# Altium PCB DIOT_Backplane.pcbdoc (part 4 of 11)
Units mm, origin at the board's own origin, x right, y up, seen from the top; angles counter-clockwise.
Board outline 304.8 x 128.5 mm, 14 copper layers (Top Layer, L2, L3GND, L4, L5GND, L6, L7GND, L8, L9GND, L10, L11GND, L12, L13GND, Bottom Layer), stack 4.06 mm thick; 141 components, 1224 nets, 5318 pads, 471 vias.
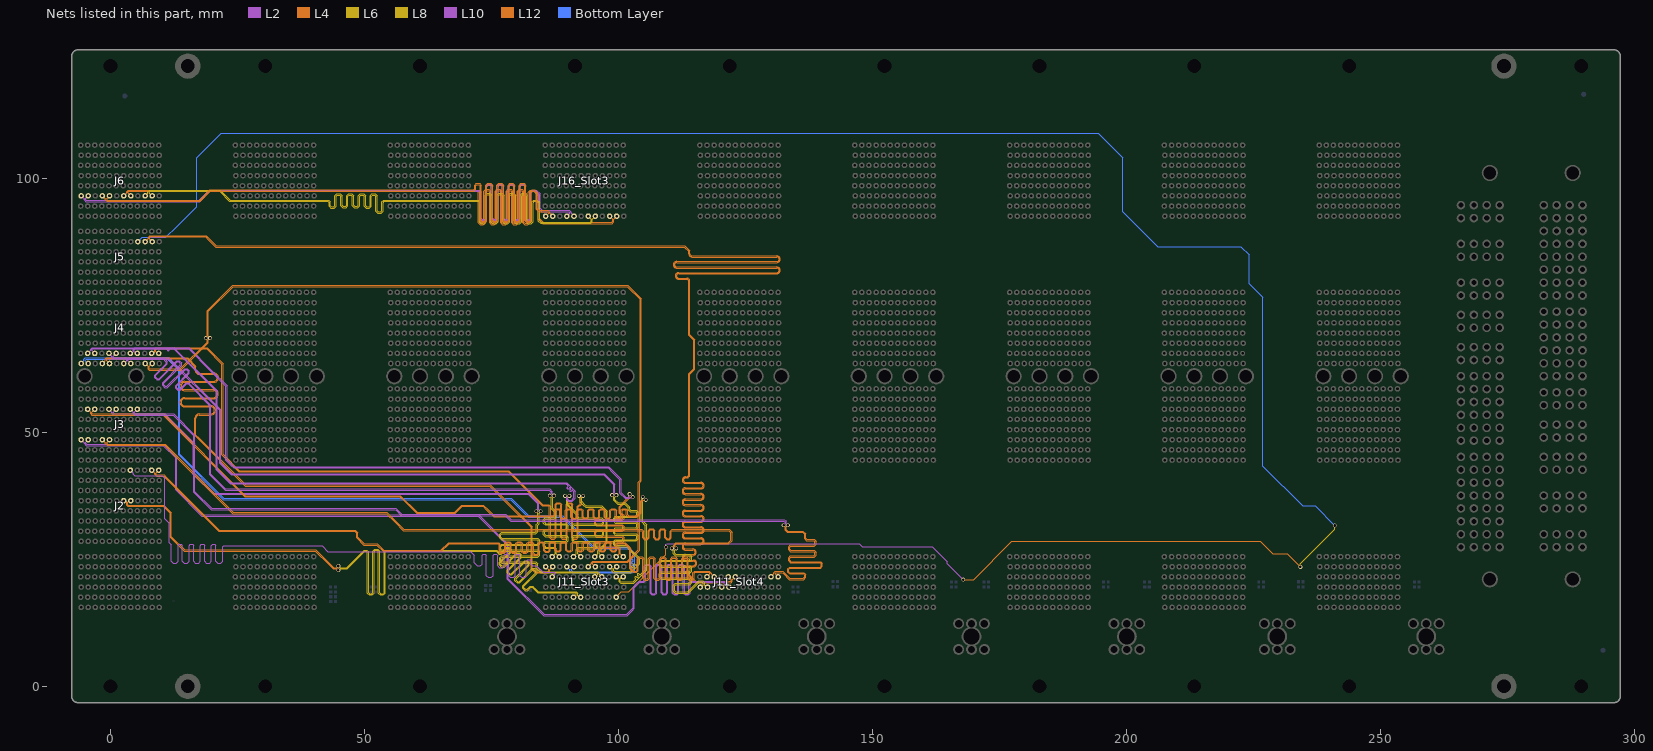
[diagram p16: the nets of this part, all layers, seen from the top]

## Via types
v1: diameter 0.75, hole 0.5, Top Layer to Bottom Layer, tented both sides, 429 vias
v2: diameter 0.85, hole 0.5, Top Layer to Bottom Layer, tented both sides, 32 vias
v3: diameter 1.3, hole 1, Top Layer to Bottom Layer, tented both sides, 10 vias

## Nets (pads, with @x,y where several pads share a name; then routed paths per layer and width w, separated by ;. In a path a pad name is that pad's centre, name@x,y a point inside that pad or via, vN(x,y) a via of type N, cw(c..) or ccw(c..) an arc to the next point about the centre after c; other vN are vias at no path point) (continued)
3_DIFF_2_P: J2.H8 J11_Slot3.B4 | length 165.6
  L2 w0.102: J2.H8@3.92,42.55 4.506,41.965 4.506,41.769 4.824,41.451 10.221,41.451 10.536,41.136 10.688,40.984 10.688,32.964 11.56,32.092 11.56,28.269 11.84,27.989 12.004,27.825 12.004,24.625 12.354,24.275 12.976,24.275 13.326,24.625 13.326,27.714 13.542,27.93 13.974,27.93 14.19,27.714 14.19,24.625 14.54,24.275 15.162,24.275 15.512,24.625 15.512,27.714 15.728,27.93 16.16,27.93 16.376,27.714 16.376,24.625 16.726,24.275 17.348,24.275 17.698,24.625 17.698,27.714 17.914,27.93 18.346,27.93 18.562,27.714 18.562,24.625 18.912,24.275 19.534,24.275 19.884,24.625 19.884,27.714 20.1,27.93 20.532,27.93 20.748,27.714 20.748,24.625 21.098,24.275 21.72,24.275 22.07,24.625 22.07,27.433 22.286,27.649 22.404,27.649 41.651,27.649 42.819,26.48 70.91,26.48 71.611,25.779 71.611,24.355 72.245,23.721 72.599,23.721 72.812,23.721 73.162,24.071 73.162,25.791 73.378,26.007 73.81,26.007 74.026,25.791 74.026,21.785 74.376,21.435 74.998,21.435 75.348,21.785 75.348,25.791 75.564,26.007 75.996,26.007 76.212,25.791 76.212,23.729 76.562,23.379 77.184,23.379 77.534,23.729 77.534,25.791 77.75,26.007 78.182,26.007 78.398,25.791 78.398,21.785 78.748,21.435 79.37,21.435 79.72,21.785 79.72,25.791 79.936,26.007 80.368,26.007 80.584,25.791 80.584,21.785 80.934,21.435 81.556,21.435 81.906,21.785 81.906,24.733 82.122,24.949 82.554,24.949 82.77,24.733 82.77,24.071 83.12,23.721 83.515,23.721 83.869,23.721 85.164,22.426 85.541,22.426 ccw(c85.66,23.55) 85.779,22.426 86.941,22.426 ccw(c87.06,23.55) 87.179,22.426 87.323,22.426 87.545,22.204 87.545,22.136 J11_Slot3.B4@86.96,21.55
3_DIFF_3_N: J3.C6 J11_Slot3.L4 | length 166.1
  L4 w0.102: J3.C6@-3.08,54.55 -3.665,53.964 -3.665,53.714 -3.594,53.643 10.476,53.643 26.564,37.555 57.094,37.555 60.37,34.279 67.769,34.279 69.14,35.65 73.44,35.65 74.34,34.75 75.511,33.579 87.047,33.579 87.165,33.579 87.381,33.795 87.381,34.659 87.732,35.009 88.353,35.009 88.703,34.659 88.703,33.339 88.919,33.123 89.351,33.123 89.567,33.339 89.567,34.659 89.918,35.009 90.539,35.009 90.889,34.659 90.889,33.339 91.105,33.123 91.537,33.123 91.753,33.339 91.753,34.659 92.104,35.009 92.725,35.009 93.075,34.659 93.075,33.339 93.291,33.123 93.723,33.123 93.939,33.339 93.939,34.659 94.289,35.009 94.911,35.009 95.261,34.659 95.261,33.339 95.477,33.123 95.909,33.123 96.125,33.339 96.125,34.659 96.475,35.009 97.097,35.009 97.447,34.659 97.447,33.339 97.663,33.123 98.095,33.123 98.311,33.339 98.311,34.659 98.661,35.009 99.283,35.009 99.633,34.659 99.633,33.339 99.849,33.123 100.281,33.123 100.497,33.339 100.497,34.659 100.847,35.009 101.469,35.009 101.819,34.659 101.819,33.795 102.035,33.579 103.336,33.579 103.569,33.579 104.267,34.277 104.267,36.341 104.75,36.824 104.75,37.265 v1(104.778,37.293)
  L8 w0.12: J11_Slot3.L4@100.96,21.55 100.763,21.55 100.395,21.182 100.395,20.732 100.578,20.549 102.894,20.549 103.12,20.775 103.334,20.989 ccw(c103.202,21.121) 103.334,21.254 103.293,21.295 cw(c103.425,21.428) 103.293,21.56 cw(c103.425,21.428) 103.557,21.56 103.599,21.518 ccw(c103.731,21.65) 103.863,21.518 ccw(c103.731,21.65) 103.863,21.783 103.768,21.877 cw(c103.901,22.01) 103.768,22.142 cw(c103.901,22.01) 104.033,22.142 104.128,22.047 ccw(c104.26,22.179) 104.392,22.047 104.699,22.354 105.328,22.983 105.328,31.656 104.475,32.509 104.475,36.578 104.711,36.814 104.711,37.226 v1(104.778,37.293)
3_DIFF_3_P: J3.B6 J11_Slot3.K4 | length 166.1
  L4 w0.102: J3.B6@-4.48,54.55 -3.895,53.964 -3.895,53.619 -3.689,53.414 10.381,53.414 26.469,37.326 56.999,37.326 57.907,36.418 60.275,34.05 67.864,34.05 69.235,35.421 73.345,35.421 74.016,34.75 74.178,34.588 75.416,33.35 87.047,33.35 87.26,33.35 87.61,33.7 87.61,34.564 87.826,34.78 88.258,34.78 88.474,34.564 88.474,33.244 88.825,32.894 89.446,32.894 89.796,33.244 89.796,34.564 90.012,34.78 90.444,34.78 90.66,34.564 90.66,33.244 91.011,32.894 91.632,32.894 91.982,33.244 91.982,34.564 92.198,34.78 92.63,34.78 92.846,34.564 92.846,33.244 93.197,32.894 93.818,32.894 94.168,33.244 94.168,34.564 94.384,34.78 94.816,34.78 95.032,34.564 95.032,33.244 95.382,32.894 96.004,32.894 96.354,33.244 96.354,34.564 96.57,34.78 97.002,34.78 97.218,34.564 97.218,33.244 97.568,32.894 98.19,32.894 98.54,33.244 98.54,34.564 98.756,34.78 99.188,34.78 99.404,34.564 99.404,33.244 99.754,32.894 100.376,32.894 100.726,33.244 100.726,34.564 100.942,34.78 101.374,34.78 101.59,34.564 101.59,33.7 101.94,33.35 103.336,33.35 103.664,33.35 104.496,34.182 104.496,36.246 104.912,36.662 105.353,36.662 v1(105.38,36.69)
  L8 w0.12: J11_Slot3.K4@99.56,21.55 99.757,21.55 100.125,21.182 100.125,20.62 100.466,20.279 103.006,20.279 105.598,22.872 105.598,31.768 104.745,32.621 104.745,36.466 104.902,36.624 105.314,36.624 v1(105.38,36.69)
3_DIFF_4_N: J3.F6 J11_Slot3.I4 | length 164.9
  L8 w0.12: v1(84.678,34.456) 84.678,34.362 84.387,34.071 84.387,32.018 84.119,31.75 84.119,31.493 84.119,30.414 83.741,30.035 77.099,30.035 76.878,29.815 76.878,29.374 77.099,29.153 84.091,29.153 84.47,28.775 84.47,28.11 84.091,27.731 77.099,27.731 76.878,27.511 76.878,27.07 77.099,26.849 84.091,26.849 84.47,26.471 84.47,25.806 84.091,25.428 77.099,25.428 76.878,25.207 76.878,24.766 77.099,24.546 83.741,24.546 84.119,24.167 84.119,23.916 84.119,23.339 84.859,22.6 86.355,22.6 95.961,22.6 96.195,22.366 96.195,22.115 J11_Slot3.I4@96.76,21.55
  L10 w0.102: J3.F6@1.12,54.55 0.534,53.964 0.534,53.837 0.728,53.643 10.71,53.643 16.581,47.772 16.581,41.847 20.391,38.038 82.318,38.038 84.099,36.257 ; 84.099,36.257 84.367,35.989 84.367,34.807 84.678,34.495 v1(84.678,34.456)
3_DIFF_4_P: J3.E6 J11_Slot3.H4 | length 164.9
  L8 w0.12: v1(83.826,34.456) 83.826,34.362 84.117,34.071 84.117,32.13 83.85,31.862 83.85,31.493 83.85,30.525 83.629,30.305 76.987,30.305 76.608,29.926 76.608,29.262 76.987,28.883 83.979,28.883 84.2,28.663 84.2,28.222 83.979,28.001 76.987,28.001 76.608,27.623 76.608,26.958 76.987,26.58 83.979,26.58 84.2,26.359 84.2,25.918 83.979,25.698 76.987,25.698 76.608,25.319 76.608,24.654 76.987,24.276 83.629,24.276 83.85,24.055 83.85,23.916 83.85,23.227 84.747,22.33 86.355,22.33 95.849,22.33 95.925,22.254 95.925,22.115 J11_Slot3.H4@95.36,21.55
  L10 w0.102: J3.E6@-0.28,54.55 0.306,53.964 0.306,53.742 0.633,53.414 10.615,53.414 16.352,47.677 16.352,41.752 20.296,37.809 82.224,37.809 84.004,36.028 84.138,35.894 84.138,34.807 83.826,34.495 v1(83.826,34.456)
3_DIFF_5_N: J4.H1 J11_Slot3.K5 | length 165.1
  L8 w0.12: v1(98.761,37.648) 98.761,37.554 99.052,37.263 99.052,36.656 99.858,35.85 101.24,35.85 101.94,35.15 101.94,35.145 101.94,34.773 102.319,34.395 103.434,34.395 103.654,34.174 103.654,33.733 103.434,33.513 99.421,33.513 99.042,33.134 99.042,32.47 99.421,32.091 103.434,32.091 103.654,31.871 103.654,31.43 103.434,31.209 99.421,31.209 99.042,30.831 99.042,30.166 99.421,29.787 103.434,29.787 103.654,29.567 103.654,29.126 103.434,28.905 99.421,28.905 99.042,28.527 99.042,27.862 99.421,27.484 101.72,27.484 101.94,27.263 101.94,27.124 101.94,27.068 103.92,25.088 103.92,24.209 103.909,24.198 103.616,23.905 cw(c103.484,24.037) 103.351,23.905 103.231,24.025 ccw(c103.099,23.893) 102.967,24.025 ccw(c103.099,23.893) 102.967,23.761 103.087,23.64 cw(c102.955,23.508) 103.087,23.376 cw(c102.955,23.508) 102.823,23.376 102.661,23.538 ccw(c102.528,23.405) 102.396,23.538 ccw(c102.528,23.405) 102.396,23.273 102.558,23.111 cw(c102.426,22.979) 102.558,22.847 102.516,22.804 102.357,22.645 99.165,22.645 99.095,22.715 99.095,23.182 99.463,23.55 J11_Slot3.K5@99.66,23.55
  L10 w0.102: J4.H1@4.02,63.55 3.434,64.136 3.434,64.239 3.629,64.433 11.387,64.433 21.508,54.312 21.508,43.886 23.744,41.65 97.144,41.65 98.826,39.968 98.988,39.806 99.072,39.722 99.072,37.999 98.761,37.688 v1(98.761,37.648)
3_DIFF_5_P: J4.G1 J11_Slot3.J5 | length 165.1
  L8 w0.12: J11_Slot3.J5@98.26,23.55 98.457,23.55 98.825,23.182 98.825,22.604 99.053,22.375 102.468,22.375 104.19,24.097 104.19,25.2 102.266,27.124 102.21,27.18 102.21,27.375 101.831,27.754 99.532,27.754 99.312,27.974 99.312,28.415 99.532,28.636 103.545,28.636 103.924,29.014 103.924,29.679 103.545,30.057 99.532,30.057 99.312,30.278 99.312,30.719 99.532,30.939 103.545,30.939 103.924,31.318 103.924,31.982 103.545,32.361 99.532,32.361 99.312,32.581 99.312,33.022 99.532,33.243 103.545,33.243 103.924,33.622 103.924,34.286 103.545,34.665 102.43,34.665 102.21,34.885 102.21,35.145 102.21,35.262 101.352,36.12 99.97,36.12 99.322,36.768 99.322,37.263 99.613,37.554 v1(99.613,37.648)
  L10 w0.102: J4.G1@2.62,63.55 3.206,64.136 3.206,64.334 3.534,64.662 11.482,64.662 21.737,54.407 21.737,43.981 23.839,41.879 97.239,41.879 99.301,39.816 99.301,37.999 99.613,37.688 v1(99.613,37.648)
3_DIFF_6_N: J4.K1 J11_Slot3.H5 | length 170.9
  L4 w0.102: J4.K1@8.22,63.55 7.635,62.965 7.635,62.632 7.634,62.535 7.694,62.475 13.774,62.475 19.07,67.771 19.07,68.192 18.758,68.504 v1(18.758,68.543)
  L12 w0.102: v1(18.758,68.543) 18.758,68.562 19.07,68.873 19.07,73.903 24.1,78.934 101.856,78.934 104.529,76.261 104.529,40.495 104.16,40.127 104.16,26.773 101.794,24.408 95.03,24.408 94.875,24.252 94.875,24.135 J11_Slot3.H5@95.46,23.55
3_DIFF_6_P: J4.J1 J11_Slot3.G5 | length 170.9
  L4 w0.102: J4.J1@6.82,63.55 7.406,62.964 7.406,62.808 7.405,62.44 7.599,62.246 13.869,62.246 19.299,67.676 19.299,68.192 19.61,68.504 v1(19.61,68.543)
  L12 w0.102: v1(19.61,68.543) 19.61,68.562 19.299,68.873 19.299,73.809 24.195,78.705 101.761,78.705 104.3,76.167 104.3,40.59 103.931,40.222 103.931,26.868 101.7,24.637 94.935,24.637 94.646,24.347 94.646,24.136 J11_Slot3.G5@94.06,23.55
3_DIFF_7_N: J4.C2 J11_Slot3.F6 | length 164.2
  L2 w0.102: J4.C2@-3.08,65.55 -3.665,66.136 -3.665,66.233 -3.438,66.461 10.536,66.461 12.421,66.461 20.806,58.076 20.806,42.652 23.617,39.841 89.731,39.841 89.748,39.823 89.784,39.787 90.036,39.535 cw(c89.91,39.409) 90.036,39.284 89.928,39.176 ccw(c90.054,39.05) 89.928,38.924 ccw(c90.054,39.05) 90.18,38.924 90.288,39.032 cw(c90.413,38.906) 90.539,39.032 cw(c90.413,38.906) 90.539,38.78 90.432,38.673 ccw(c90.558,38.547) 90.432,38.421 ccw(c90.558,38.547) 90.683,38.421 90.791,38.528 cw(c90.917,38.403) 91.043,38.528 91.257,38.314 91.257,38.143 91.257,37.089 90.809,36.641 90.263,36.641 90.031,36.873 90.031,37.128 90.342,37.44 v1(90.342,37.479)
  L8 w0.12: v1(90.342,37.479) 90.342,37.385 90.051,37.094 90.051,35.839 91.995,33.895 91.995,33.513 91.995,33.374 92.215,33.154 96.764,33.154 97.142,32.775 97.142,32.11 96.764,31.732 91.357,31.732 91.136,31.511 91.136,31.07 91.357,30.85 96.764,30.85 97.142,30.471 97.142,29.807 96.764,29.428 91.357,29.428 91.136,29.208 91.136,28.767 91.357,28.546 95.447,28.546 95.826,28.168 95.826,27.503 95.447,27.124 92.215,27.124 91.995,26.904 91.995,26.568 91.995,26.115 ; 91.995,26.115 J11_Slot3.F6@92.56,25.55
3_DIFF_7_P: J4.B2 J11_Slot3.E6 | length 164.3
  L2 w0.102: J4.B2@-4.48,65.55 -3.895,66.136 -3.895,66.328 -3.533,66.69 12.516,66.69 21.035,58.171 21.035,42.747 23.712,40.07 89.825,40.07 91.486,38.409 91.486,36.994 90.904,36.412 90.169,36.412 89.802,36.778 89.802,37.128 89.49,37.44 v1(89.49,37.479)
  L8 w0.12: v1(89.49,37.479) 89.49,37.385 89.781,37.094 89.781,35.727 91.725,33.783 91.725,33.513 91.725,33.262 92.104,32.884 96.652,32.884 96.872,32.663 96.872,32.222 96.652,32.002 91.245,32.002 90.866,31.623 90.866,30.959 91.245,30.58 96.652,30.58 96.872,30.359 96.872,29.918 96.652,29.698 91.245,29.698 90.866,29.319 90.866,28.655 91.245,28.276 95.335,28.276 95.556,28.056 95.556,27.615 95.335,27.394 92.104,27.394 91.725,27.016 91.725,26.568 91.725,26.115 ; J11_Slot3.E6@91.16,25.55 91.725,26.115
3_DIFF_8_N: J4.F2 J11_Slot3.C6 | length 165.6
  L2 w0.102: J4.F2@1.12,65.55 0.534,64.965 0.534,64.826 0.652,64.709 10.456,64.709 10.995,64.169 11.146,64.019 11.215,63.949 11.215,63.454 8.953,61.193 8.953,60.887 9.259,60.582 9.564,60.582 13.084,64.102 13.579,64.102 14.019,63.662 14.019,63.167 10.499,59.647 10.499,59.341 10.804,59.036 11.11,59.036 14.63,62.556 15.125,62.556 15.565,62.116 15.565,61.621 13.068,59.124 13.068,58.819 13.373,58.513 13.679,58.513 14.917,59.752 15.413,59.752 15.496,59.668 15.563,59.601 19.792,55.372 19.792,41.735 22.651,38.876 86.444,38.876 87.008,38.312 87.008,37.906 87.32,37.594 v1(87.32,37.555)
  L8 w0.12: v1(87.32,37.555) 87.32,37.461 87.029,37.17 87.029,35.091 87.795,34.325 87.795,33.858 87.795,33.298 87.416,32.919 85.729,32.919 85.509,32.699 85.509,32.258 85.729,32.037 89.702,32.037 90.081,31.658 90.081,30.994 89.702,30.615 85.729,30.615 85.509,30.395 85.509,29.954 85.729,29.733 89.702,29.733 90.081,29.355 90.081,28.69 89.702,28.312 85.729,28.312 85.509,28.091 85.509,27.65 85.729,27.43 87.416,27.43 87.795,27.051 87.795,26.8 87.795,26.115 ; 87.795,26.115 J11_Slot3.C6@88.36,25.55
3_DIFF_8_P: J4.E2 J11_Slot3.B6 | length 165.6
  L2 w0.102: J4.E2@-0.28,65.55 0.306,64.965 0.306,64.731 0.557,64.48 10.361,64.48 10.833,64.007 10.984,63.857 10.986,63.855 10.986,63.549 8.724,61.287 8.724,60.792 9.1,60.416 9.164,60.353 9.659,60.353 13.179,63.873 13.484,63.873 13.79,63.567 13.79,63.262 10.27,59.742 10.27,59.246 10.71,58.807 11.205,58.807 14.725,62.327 15.03,62.327 15.336,62.021 15.336,61.716 12.839,59.219 12.839,58.724 13.278,58.284 13.773,58.284 15.012,59.523 15.318,59.523 15.401,59.439 19.563,55.277 19.563,41.64 22.557,38.647 85.213,38.647 86.349,38.647 86.779,38.217 86.779,37.906 86.468,37.594 v1(86.468,37.555)
  L8 w0.12: v1(86.468,37.555) 86.468,37.461 86.759,37.17 86.759,34.98 87.525,34.213 87.525,33.858 87.525,33.409 87.305,33.189 85.618,33.189 85.239,32.81 85.239,32.146 85.618,31.767 89.591,31.767 89.811,31.547 89.811,31.106 89.591,30.885 85.618,30.885 85.239,30.507 85.239,29.842 85.618,29.463 89.591,29.463 89.811,29.243 89.811,28.802 89.591,28.582 85.618,28.582 85.239,28.203 85.239,27.538 85.618,27.16 87.305,27.16 87.525,26.939 87.525,26.8 87.525,26.115 ; J11_Slot3.B6@86.96,25.55 87.525,26.115
3_DIFF_9_N: J4.I2 J11_Slot3.L6 | length 166.2
  L10 w0.102: J4.I2@5.32,65.55 5.059,65.55 4.735,65.874 4.735,66.214 4.929,66.409 10.62,66.409 11.027,66.409 cw(c11.027,66.231) 11.205,66.231 ccw(c11.383,66.231) 11.383,66.053 ccw(c11.383,66.231) 11.561,66.231 cw(c11.739,66.231) 11.739,66.409 12.22,66.409 15.438,66.409 19.476,62.371 22.753,59.094 22.753,44.521 23.836,43.438 24.258,43.016 97.954,43.016 98.72,42.25 100.291,40.679 100.291,38.055 101.325,37.021 102.085,37.021 102.209,37.146 102.692,37.146 v1(102.809,37.263)
  L12 w0.102: J11_Slot3.L6@100.96,25.55 100.374,26.136 100.374,26.871 100.374,27.084 100.024,27.434 95.77,27.434 95.554,27.65 95.554,28.082 95.77,28.298 100.751,28.298 101.101,28.648 101.101,29.27 100.751,29.62 95.77,29.62 95.554,29.836 95.554,30.268 95.77,30.484 100.751,30.484 101.101,30.834 101.101,31.456 100.751,31.806 95.77,31.806 95.554,32.022 95.554,32.454 95.77,32.67 100.751,32.67 101.101,33.02 101.101,33.642 100.751,33.992 100.59,33.992 100.374,34.208 100.374,35.035 100.374,35.304 102.32,37.25 102.796,37.25 v1(102.809,37.263)
3_DIFF_9_P: J4.H2 J11_Slot3.K6 | length 166
  L10 w0.102: J4.H2@3.92,65.55 4.181,65.55 4.506,65.874 4.506,66.309 4.835,66.638 15.533,66.638 19.8,62.371 22.982,59.189 22.982,44.616 24.16,43.438 24.353,43.245 98.049,43.245 99.044,42.25 100.52,40.774 100.52,38.15 101.42,37.25 101.99,37.25 102.064,37.324 102.064,37.722 v1(102.188,37.846)
  L12 w0.102: J11_Slot3.K6@99.56,25.55 100.145,26.136 100.145,26.871 100.146,26.989 99.93,27.205 95.675,27.205 95.325,27.555 95.325,28.177 95.675,28.527 100.656,28.527 100.872,28.743 100.872,29.175 100.656,29.391 95.675,29.391 95.325,29.741 95.325,30.363 95.675,30.713 100.656,30.713 100.872,30.929 100.872,31.361 100.656,31.577 95.675,31.577 95.325,31.927 95.325,32.549 95.675,32.899 100.656,32.899 100.872,33.115 100.872,33.547 100.656,33.763 100.496,33.763 100.146,34.113 100.146,35.035 100.145,35.399 102.158,37.412 102.158,37.816 v1(102.188,37.846)
3_DIFF_10_N: J4.L2 J11_Slot3.I6 | length 166
  L8 w0.12: v1(93.072,37.477) 93.072,37.383 92.781,37.092 92.781,36.39 93.292,35.879 93.292,35.875 93.648,35.52 96.752,35.52 97.84,34.432 97.84,28.242 96.195,26.597 96.195,26.498 96.195,26.115 J11_Slot3.I6@96.76,25.55
  L12 w0.102: J4.L2@9.52,65.55 9.259,65.55 8.934,65.874 8.934,66.281 9.087,66.434 18.943,66.434 21.966,63.412 21.966,45.581 25.309,42.238 78.352,42.238 82.44,38.15 85.048,35.542 86.058,35.542 86.212,35.542 86.428,35.326 86.428,29.324 86.778,28.973 87.4,28.973 87.75,29.324 87.75,35.706 87.966,35.922 88.398,35.922 88.614,35.706 88.614,29.324 88.964,28.973 89.586,28.973 89.936,29.324 89.936,35.706 90.152,35.922 90.584,35.922 90.8,35.706 90.8,29.324 91.15,28.973 91.772,28.973 92.122,29.324 92.122,35.326 92.338,35.542 92.456,35.542 92.761,35.847 92.761,36.25 92.761,36.763 92.761,37.126 93.072,37.438 v1(93.072,37.477)
3_DIFF_10_P: J4.K2 J11_Slot3.H6 | length 166
  L8 w0.12: v1(92.22,37.477) 92.22,37.383 92.511,37.092 92.511,36.279 93.022,35.768 93.022,35.763 93.536,35.25 96.64,35.25 97.57,34.32 97.57,28.354 95.925,26.709 95.925,26.498 95.925,26.115 J11_Slot3.H6@95.36,25.55
  L12 w0.102: J4.K2@8.12,65.55 8.381,65.55 8.705,65.874 8.705,66.376 8.993,66.663 19.038,66.663 22.195,63.507 22.195,45.675 25.403,42.467 78.447,42.467 82.764,38.15 85.143,35.771 86.058,35.771 86.307,35.771 86.657,35.421 86.657,29.418 86.873,29.202 87.305,29.202 87.521,29.418 87.521,35.801 87.871,36.151 88.493,36.151 88.843,35.801 88.843,29.418 89.059,29.202 89.491,29.202 89.707,29.418 89.707,35.801 90.057,36.151 90.679,36.151 91.029,35.801 91.029,29.418 91.245,29.202 91.677,29.202 91.893,29.418 91.893,35.421 92.243,35.771 92.361,35.771 92.456,35.866 92.532,35.942 92.532,36.858 92.532,37.126 92.22,37.438 v1(92.22,37.477)
3_DIFF_11_N: J6.B3 J16_Slot3.E1 | length 165
  L10 w0.102: J6.B3@-4.38,96.55 -4.965,95.965 -4.965,95.892 -4.742,95.668 17.464,95.668 19.446,97.649 71.518,97.649 72.685,97.649 73.035,97.299 73.035,92.18 73.251,91.964 73.683,91.964 73.899,92.18 73.899,98.49 74.249,98.84 74.871,98.84 75.221,98.49 75.221,92.18 75.437,91.964 75.869,91.964 76.085,92.18 76.085,98.49 76.435,98.84 77.057,98.84 77.407,98.49 77.407,92.18 77.623,91.964 78.055,91.964 78.271,92.18 78.271,98.49 78.621,98.84 79.243,98.84 79.593,98.49 79.593,92.18 79.809,91.964 80.241,91.964 80.457,92.18 80.457,98.49 80.807,98.84 81.429,98.84 81.779,98.49 81.779,92.18 81.995,91.964 82.427,91.964 82.643,92.18 82.643,97.299 82.993,97.649 83.206,97.649 83.864,97.649 84.569,96.945 84.569,94.15 85.02,93.699 90.288,93.699 90.674,93.313 90.674,93.136 J16_Slot3.E1@91.26,92.55
3_DIFF_11_P: J6.A3 J16_Slot3.D1 | length 165
  L10 w0.102: J6.A3@-5.78,96.55 -5.195,95.965 -5.195,95.797 -4.837,95.439 17.559,95.439 19.54,97.421 71.518,97.421 72.59,97.421 72.806,97.205 72.806,92.085 73.156,91.735 73.778,91.735 74.128,92.085 74.128,98.395 74.344,98.611 74.776,98.611 74.992,98.395 74.992,92.085 75.342,91.735 75.964,91.735 76.314,92.085 76.314,98.395 76.53,98.611 76.962,98.611 77.178,98.395 77.178,92.085 77.528,91.735 78.15,91.735 78.5,92.085 78.5,98.395 78.716,98.611 79.148,98.611 79.364,98.395 79.364,92.085 79.714,91.735 80.336,91.735 80.686,92.085 80.686,98.395 80.902,98.611 81.334,98.611 81.55,98.395 81.55,92.085 81.9,91.735 82.522,91.735 82.872,92.085 82.872,97.205 83.088,97.421 83.206,97.421 83.769,97.421 84.04,97.15 84.202,96.988 84.34,96.85 84.34,94.056 84.925,93.47 85.105,93.47 90.193,93.47 90.446,93.218 90.446,93.136 J16_Slot3.D1@89.86,92.55
3_DIFF_12_N: J6.E3 J16_Slot3.B1 | length 164.6
  L4 w0.102: J6.E3@-0.18,96.55 -0.766,95.965 -0.766,95.853 -0.618,95.706 17.549,95.706 19.556,97.712 71.329,97.712 71.496,97.712 71.712,97.928 71.712,98.64 72.062,98.99 72.683,98.99 73.034,98.64 73.034,91.757 73.25,91.541 73.682,91.541 73.898,91.757 73.898,98.64 74.248,98.99 74.869,98.99 75.22,98.64 75.22,91.757 75.436,91.541 75.868,91.541 76.084,91.757 76.084,98.64 76.434,98.99 77.055,98.99 77.406,98.64 77.406,91.757 77.622,91.541 78.054,91.541 78.27,91.757 78.27,98.64 78.62,98.99 79.241,98.99 79.592,98.64 79.592,91.757 79.808,91.541 80.24,91.541 80.456,91.757 80.456,98.64 80.806,98.99 81.427,98.99 81.778,98.64 81.778,91.757 81.994,91.541 82.426,91.541 82.642,91.757 82.642,97.362 82.992,97.712 83.205,97.712 83.502,97.712 84.069,97.145 84.069,94.021 84.391,93.699 86.123,93.699 86.475,93.347 86.475,93.136 J16_Slot3.B1@87.06,92.55
3_DIFF_12_P: J6.D3 J16_Slot3.A1 | length 164.6
  L4 w0.102: J6.D3@-1.58,96.55 -0.994,95.965 -0.994,95.758 -0.713,95.477 17.644,95.477 19.651,97.483 71.329,97.483 71.542,97.483 71.59,97.483 71.941,97.833 71.941,98.545 72.157,98.761 72.589,98.761 72.805,98.545 72.805,91.662 73.155,91.312 73.776,91.312 74.127,91.662 74.127,98.545 74.343,98.761 74.775,98.761 74.991,98.545 74.991,91.662 75.341,91.312 75.962,91.312 76.313,91.662 76.313,98.545 76.529,98.761 76.961,98.761 77.177,98.545 77.177,91.662 77.527,91.312 78.148,91.312 78.499,91.662 78.499,98.545 78.715,98.761 79.147,98.761 79.363,98.545 79.363,91.662 79.713,91.312 80.334,91.312 80.685,91.662 80.685,98.545 80.901,98.761 81.333,98.761 81.549,98.545 81.549,91.662 81.899,91.312 82.52,91.312 82.871,91.662 82.871,97.267 83.087,97.483 83.205,97.483 83.407,97.483 83.84,97.05 83.84,93.926 84.296,93.47 86.028,93.47 86.245,93.252 86.245,93.136 J16_Slot3.A1@85.66,92.55
3_DIFF_13_N: J6.H3 J16_Slot3.K1 | length 166.8
  L12 w0.102: J6.H3@4.02,96.55 3.434,97.136 3.434,97.218 3.649,97.433 71.49,97.433 72.222,97.433 72.438,97.217 72.438,91.243 72.788,90.893 73.41,90.893 73.76,91.243 73.76,97.372 73.976,97.588 74.408,97.588 74.624,97.372 74.624,91.243 74.974,90.893 75.596,90.893 75.946,91.243 75.946,97.372 76.162,97.588 76.594,97.588 76.81,97.372 76.81,91.243 77.16,90.893 77.782,90.893 78.132,91.243 78.132,97.372 78.348,97.588 78.78,97.588 78.996,97.372 78.996,91.243 79.346,90.893 79.968,90.893 80.318,91.243 80.318,97.372 80.534,97.588 80.966,97.588 81.182,97.372 81.182,91.243 81.532,90.893 82.154,90.893 82.504,91.243 82.504,97.217 82.72,97.433 82.838,97.433 83.358,97.433 84.237,96.553 84.237,91.953 84.54,91.65 85.108,91.083 85.53,91.083 98.746,91.083 99.074,91.411 99.075,91.965 J16_Slot3.K1@99.66,92.55
3_DIFF_13_P: J6.G3 J16_Slot3.J1 | length 166.8
  L12 w0.102: J6.G3@2.62,96.55 3.206,97.136 3.206,97.313 3.554,97.662 71.49,97.662 72.317,97.662 72.667,97.311 72.667,91.338 72.883,91.122 73.315,91.122 73.531,91.338 73.531,97.467 73.881,97.817 74.503,97.817 74.853,97.467 74.853,91.338 75.069,91.122 75.501,91.122 75.717,91.338 75.717,97.467 76.067,97.817 76.689,97.817 77.039,97.467 77.039,91.338 77.255,91.122 77.687,91.122 77.903,91.338 77.903,97.467 78.253,97.817 78.875,97.817 79.225,97.467 79.225,91.338 79.441,91.122 79.873,91.122 80.089,91.338 80.089,97.467 80.439,97.817 81.061,97.817 81.411,97.467 81.411,91.338 81.627,91.122 82.059,91.122 82.275,91.338 82.275,97.311 82.625,97.662 82.838,97.662 83.452,97.662 84.466,96.648 84.466,96.458 84.466,92.048 84.702,91.812 84.864,91.65 85.202,91.312 98.652,91.312 98.845,91.505 98.845,91.964 J16_Slot3.J1@98.26,92.55
3_DIFF_14_N: J6.K3 J16_Slot3.H1 | length 166.6
  L8 w0.12: J6.K3@8.22,96.55 7.655,97.115 7.655,97.244 7.823,97.412 21.478,97.412 23.434,95.456 41.739,95.456 42.822,95.456 43.042,95.236 43.042,94.487 43.421,94.108 44.086,94.108 44.464,94.487 44.464,96.477 44.685,96.697 45.126,96.697 45.346,96.477 45.346,94.618 45.725,94.239 46.39,94.239 46.768,94.618 46.768,96.477 46.989,96.697 47.43,96.697 47.65,96.477 47.65,94.618 48.029,94.239 48.694,94.239 49.072,94.618 49.072,96.477 49.293,96.697 49.734,96.697 49.954,96.477 49.954,94.493 50.333,94.114 50.998,94.114 51.376,94.493 51.376,96.477 51.597,96.697 52.038,96.697 52.258,96.477 52.258,93.549 52.637,93.17 53.302,93.17 53.68,93.549 53.68,95.236 53.901,95.456 54.04,95.456 71.34,95.456 ; 71.34,95.456 72.386,95.456 72.606,95.236 72.606,91.419 72.985,91.041 73.649,91.041 74.028,91.419 74.028,96.527 74.248,96.748 74.689,96.748 74.91,96.527 74.91,91.419 75.289,91.041 75.953,91.041 76.332,91.419 76.332,96.527 76.552,96.748 76.993,96.748 77.214,96.527 77.214,91.419 77.592,91.041 78.257,91.041 78.635,91.419 78.635,96.527 78.856,96.748 79.297,96.748 79.517,96.527 79.517,91.419 79.896,91.041 80.56,91.041 80.939,91.419 80.939,96.527 81.16,96.748 81.601,96.748 81.821,96.527 81.821,91.419 82.2,91.041 82.864,91.041 83.243,91.419 83.243,95.236 83.463,95.456 83.602,95.456 83.934,95.456 84.243,95.147 84.243,91.595 84.725,91.113 84.824,91.113 94.539,91.113 94.895,91.469 94.895,91.985 J16_Slot3.H1@95.46,92.55
3_DIFF_14_P: J6.J3 J16_Slot3.G1 | length 166.6
  L8 w0.12: J6.J3@6.82,96.55 7.385,97.115 7.385,97.356 7.711,97.682 21.59,97.682 23.546,95.726 41.739,95.726 42.934,95.726 43.312,95.348 43.312,94.599 43.533,94.378 43.974,94.378 44.194,94.599 44.194,96.588 44.573,96.967 45.238,96.967 45.616,96.588 45.616,94.73 45.837,94.509 46.278,94.509 46.498,94.73 46.498,96.588 46.877,96.967 47.542,96.967 47.92,96.588 47.92,94.73 48.141,94.509 48.582,94.509 48.802,94.73 48.802,96.588 49.181,96.967 49.846,96.967 50.224,96.588 50.224,94.605 50.445,94.384 50.886,94.384 51.106,94.605 51.106,96.588 51.485,96.967 52.15,96.967 52.528,96.588 52.528,93.661 52.749,93.44 53.19,93.44 53.41,93.661 53.41,95.348 53.789,95.726 54.04,95.726 71.34,95.726 ; 71.34,95.726 72.498,95.726 72.876,95.348 72.876,91.531 73.097,91.311 73.538,91.311 73.758,91.531 73.758,96.639 74.137,97.017 74.801,97.017 75.18,96.639 75.18,91.531 75.4,91.311 75.841,91.311 76.062,91.531 76.062,96.639 76.44,97.017 77.105,97.017 77.484,96.639 77.484,91.531 77.704,91.311 78.145,91.311 78.365,91.531 78.365,96.639 78.744,97.017 79.409,97.017 79.787,96.639 79.787,91.531 80.008,91.311 80.449,91.311 80.669,91.531 80.669,96.639 81.048,97.017 81.712,97.017 82.091,96.639 82.091,91.531 82.311,91.311 82.752,91.311 82.973,91.531 82.973,95.348 83.351,95.726 83.602,95.726 84.045,95.726 84.513,95.259 84.513,91.706 84.836,91.383 84.936,91.383 94.427,91.383 94.625,91.581 94.625,91.985 J16_Slot3.G1@94.06,92.55
3_DIFF_15_N: J2.H5 J11_Slot3.F2 | length 166.8
  L12 w0.102: J2.H5@4.02,36.55 3.759,36.55 3.434,36.226 3.434,35.741 3.52,35.655 10.48,35.655 11.974,34.16 11.974,29.487 14.6,26.861 40.451,26.861 43.93,23.382 44.546,23.382 44.858,23.693 v1(44.876,23.693)
  L6 w0.102: v1(44.876,23.693) 44.916,23.693 45.227,23.382 46.548,23.382 49.89,26.724 49.977,26.811 50.464,26.811 50.814,26.461 50.814,18.449 51.03,18.233 51.462,18.233 51.678,18.449 51.678,26.637 52.028,26.987 52.65,26.987 53,26.637 53,18.449 53.216,18.233 53.648,18.233 53.864,18.449 53.864,26.461 54.214,26.811 54.427,26.811 76.028,26.811 76.475,26.363 76.559,26.28 76.864,26.28 77.957,27.373 78.452,27.373 78.892,26.933 78.892,26.438 76.773,24.319 76.773,24.014 77.079,23.708 77.384,23.708 79.971,26.296 80.467,26.296 80.906,25.856 80.906,25.361 78.319,22.774 78.319,22.468 78.624,22.163 78.93,22.163 81.517,24.75 82.012,24.75 82.452,24.31 82.452,23.815 79.865,21.228 79.865,20.922 80.17,20.617 80.476,20.617 83.063,23.204 83.558,23.204 83.998,22.765 83.998,22.269 81.41,19.682 81.41,19.377 81.716,19.071 82.021,19.071 82.647,19.697 83.142,19.697 83.381,19.458 83.464,19.374 84.232,18.607 91.682,18.607 91.974,18.314 91.974,17.874 92.299,17.55 J11_Slot3.F2@92.56,17.55
3_DIFF_15_P: J2.G5 J11_Slot3.E2 | length 166.8
  L12 w0.102: J2.G5@2.62,36.55 2.881,36.55 3.206,36.226 3.206,35.646 3.425,35.426 10.385,35.426 11.745,34.066 11.745,29.392 14.505,26.632 40.356,26.632 41.549,25.439 41.711,25.277 43.835,23.153 44.546,23.153 44.858,22.841 v1(44.876,22.841)
  L6 w0.102: v1(44.876,22.841) 44.916,22.841 45.227,23.153 46.643,23.153 49.89,26.4 50.072,26.582 50.369,26.582 50.585,26.366 50.585,18.355 50.935,18.004 51.557,18.004 51.907,18.355 51.907,26.542 52.123,26.758 52.555,26.758 52.771,26.542 52.771,18.355 53.121,18.004 53.743,18.004 54.093,18.355 54.093,26.366 54.309,26.582 54.427,26.582 75.933,26.582 76.313,26.201 76.397,26.118 76.464,26.051 76.959,26.051 78.052,27.144 78.357,27.144 78.663,26.838 78.663,26.533 76.544,24.414 76.544,23.919 76.984,23.479 77.479,23.479 80.066,26.067 80.372,26.067 80.677,25.761 80.677,25.456 78.09,22.868 78.09,22.373 78.53,21.934 79.025,21.934 81.612,24.521 81.917,24.521 82.223,24.215 82.223,23.91 79.636,21.323 79.636,20.828 80.075,20.388 80.57,20.388 83.158,22.975 83.463,22.975 83.769,22.67 83.769,22.364 81.181,19.777 81.181,19.282 81.621,18.842 82.116,18.842 82.742,19.468 83.047,19.468 83.219,19.296 83.302,19.212 84.137,18.378 91.587,18.378 91.746,18.219 91.746,17.874 91.421,17.55 J11_Slot3.E2@91.16,17.55
3_MGT_Rx_N: J4.E1 J11_Slot3.B5 | length 152.9
  L12 w0.102: J4.E1@-0.18,63.55 -0.765,64.135 -0.765,64.419 -0.706,64.479 15.082,64.479 16.606,62.955 16.606,62.498 16.606,62.332 ccw(c17.521,62.332) 17.521,61.417 20.352,61.417 cw(c20.352,60.731) 20.352,60.045 14.602,60.045 ccw(c14.602,59.13) 14.602,58.215 20.352,58.215 cw(c20.352,57.529) 20.352,56.843 14.602,56.843 ccw(c14.602,55.928) 14.602,55.013 19.795,55.013 cw(c19.795,54.327) 19.795,53.641 17.521,53.641 ccw(c17.521,52.726) 16.606,52.726 16.606,50.712 16.606,49.372 16.673,49.305 26.544,39.435 74.696,39.435 79.039,35.091 82.798,31.332 82.798,23.185 83.669,22.315 86.17,22.315 86.475,22.619 86.475,22.965 J11_Slot3.B5@87.06,23.55
3_MGT_Rx_P: J4.D1 J11_Slot3.A5 | length 152.9
  L12 w0.102: J4.D1@-1.58,63.55 -0.995,64.135 -0.995,64.514 -0.801,64.708 15.177,64.708 16.835,63.05 16.835,62.498 16.835,62.332 ccw(c17.521,62.332) 17.521,61.646 20.352,61.646 cw(c20.352,60.731) 20.352,59.816 14.602,59.816 ccw(c14.602,59.13) 14.602,58.444 20.352,58.444 cw(c20.352,57.529) 20.352,56.614 14.602,56.614 ccw(c14.602,55.928) 14.602,55.242 19.795,55.242 cw(c19.795,54.327) 19.795,53.412 17.521,53.412 ccw(c17.521,52.726) 16.835,52.726 16.835,50.712 16.835,49.467 17.251,49.052 26.639,39.664 74.791,39.664 79.039,35.415 83.027,31.427 83.027,23.28 83.17,23.137 83.764,22.544 86.075,22.544 86.245,22.714 86.245,22.965 J11_Slot3.A5@85.66,23.55
3_MGT_Tx_N: J4.B1 J11_Slot3.E5 | length 152.9
  Bottom Layer w0.15: J4.B1@-4.38,63.55 -4.954,64.124 -4.954,64.268 -4.805,64.417 11.296,64.417 13.407,62.307 13.407,49.795 13.407,45.58 22.221,36.766 25.928,36.766 75.941,36.766 78.787,36.766 82.237,33.316 88.943,33.316 95.143,27.116 101.95,27.116 102.941,26.125 102.941,26.011 102.941,25.532 cw(c102.739,25.532) 102.739,25.33 102.635,25.33 ccw(c102.635,25.128) 102.433,25.128 ccw(c102.635,25.128) 102.635,24.926 102.739,24.926 cw(c102.739,24.724) 102.941,24.724 cw(c102.739,24.724) 102.739,24.522 102.7,24.522 ccw(c102.7,24.32) 102.498,24.32 ccw(c102.7,24.32) 102.7,24.118 102.739,24.118 cw(c102.739,23.916) 102.941,23.916 cw(c102.739,23.916) 102.739,23.714 ccw(c102.739,23.512) 102.537,23.512 ccw(c102.739,23.512) 102.739,23.31 cw(c102.739,23.108) 102.941,23.108 102.941,22.925 102.616,22.6 102.611,22.594 90.901,22.594 90.686,22.81 90.686,22.976 J11_Slot3.E5@91.26,23.55
3_MGT_Tx_P: J4.A1 J11_Slot3.D5 | length 152.9
  Bottom Layer w0.15: J4.A1@-5.78,63.55 -5.206,64.124 -5.206,64.372 -4.909,64.669 11.401,64.669 13.659,62.411 13.659,49.899 13.659,45.684 22.325,37.018 75.941,37.018 78.891,37.018 82.342,33.567 89.047,33.567 95.247,27.367 102.054,27.367 103.192,26.229 103.192,22.82 102.715,22.343 90.797,22.343 90.434,22.706 90.434,22.976 J11_Slot3.D5@89.86,23.55
3_SERVMOD: J5.I5 J11_Slot3.K2 | length 470.6
  L8 w0.102: v1(234.259,23.509) 234.259,24.144 241.015,30.9 v1(241.015,31.662)
  L10 w0.102: v1(109.367,27.37) 109.367,27.979 109.494,28.106 147.413,28.106 148.026,27.494 161.745,27.494 164.756,24.482 164.756,24.154 v1(167.892,21.018)
  L12 w0.102: J11_Slot3.K2@99.56,17.55 100.588,18.578 102.049,18.578 109.367,25.896 v1(109.367,27.37) ; v1(167.892,21.018) 169.947,21.018 177.464,28.535 226.385,28.535 228.82,26.1 231.668,26.1 v1(234.259,23.509)
  Bottom Layer w0.102: J5.I5@5.42,87.55 6.248,88.378 10.939,88.378 13.114,90.552 ; 13.115,90.551 17.02,94.456 17.02,104.05 21.82,108.85 194.459,108.85 199.253,104.056 199.253,93.424 206.127,86.55 222.52,86.55 224.153,84.917 224.153,79.217 226.815,76.555 226.815,43.373 234.665,35.523 237.154,35.523 v1(241.015,31.662)
4_CLK_N: J5.K5 J11_Slot4.F4 | length 318
  L12 w0.102: J5.K5@8.22,87.55 7.635,88.135 7.635,88.232 7.856,88.454 18.768,88.454 19.197,88.025 20.746,86.475 112.999,86.475 113.837,85.637 113.837,85.332 113.837,85.167 ccw(c114.498,85.167) 114.498,84.506 131.208,84.506 cw(c131.208,84.074) 131.64,84.074 cw(c131.208,84.074) 131.208,83.642 111.467,83.642 ccw(c111.467,82.981) 110.806,82.981 ccw(c111.467,82.981) 111.467,82.32 131.208,82.32 cw(c131.208,81.888) 131.64,81.888 cw(c131.208,81.888) 131.208,81.456 111.854,81.456 ccw(c111.854,80.795) 111.193,80.795 ccw(c111.854,80.795) 111.854,80.134 113.405,80.134 cw(c113.405,79.702) 113.837,79.702 113.837,78.017 113.837,69.083 114.82,68.1 114.82,62.474 113.837,61.491 113.837,43.194 113.837,41.697 cw(c113.405,41.697) 113.405,41.265 113.238,41.265 ccw(c113.238,40.604) 112.577,40.604 ccw(c113.238,40.604) 113.238,39.943 116.225,39.943 cw(c116.225,39.511) 116.657,39.511 cw(c116.225,39.511) 116.225,39.079 113.179,39.079 ccw(c113.179,38.418) 112.518,38.418 ccw(c113.179,38.418) 113.179,37.757 116.225,37.757 cw(c116.225,37.325) 116.657,37.325 cw(c116.225,37.325) 116.225,36.893 113.179,36.893 ccw(c113.179,36.232) 112.518,36.232 ccw(c113.179,36.232) 113.179,35.571 116.225,35.571 cw(c116.225,35.139) 116.657,35.139 cw(c116.225,35.139) 116.225,34.707 113.179,34.707 ccw(c113.179,34.046) 112.518,34.046 ccw(c113.179,34.046) 113.179,33.385 116.225,33.385 cw(c116.225,32.953) 116.657,32.953 cw(c116.225,32.953) 116.225,32.521 113.179,32.521 ccw(c113.179,31.86) 112.518,31.86 ccw(c113.179,31.86) 113.179,31.199 116.225,31.199 cw(c116.225,30.767) 116.657,30.767 cw(c116.225,30.767) 116.225,30.335 113.179,30.335 ccw(c113.179,29.674) 112.518,29.674 ccw(c113.179,29.674) 113.179,29.013 116.225,29.013 cw(c116.225,28.581) 116.657,28.581 cw(c116.225,28.581) 116.225,28.149 113.179,28.149 ccw(c113.179,27.488) 112.518,27.488 ccw(c113.179,27.488) 113.179,26.827 114.676,26.827 cw(c114.676,26.395) 115.108,26.395 cw(c114.676,26.395) 114.676,25.963 113.179,25.963 ccw(c113.179,25.302) 112.518,25.302 ccw(c113.179,25.302) 113.179,24.641 114.776,24.641 cw(c114.776,24.209) 115.208,24.209 cw(c114.776,24.209) 114.776,23.777 113.179,23.777 ccw(c113.179,23.116) 112.518,23.116 ccw(c113.179,23.116) 113.179,22.455 113.405,22.455 cw(c113.405,22.023) 113.837,22.023 113.837,21.858 113.837,21.763 115.167,20.433 122.182,20.433 122.454,20.706 122.454,20.964 J11_Slot4.F4@123.04,21.55
4_CLK_P: J5.J5 J11_Slot4.E4 | length 318
  L12 w0.102: J5.J5@6.82,87.55 7.405,88.136 7.405,88.327 7.762,88.683 18.862,88.683 19.521,88.025 20.841,86.704 113.094,86.704 114.066,85.732 114.066,85.332 114.066,85.167 ccw(c114.498,85.167) 114.498,84.735 131.208,84.735 cw(c131.208,84.074) 131.869,84.074 cw(c131.208,84.074) 131.208,83.413 111.467,83.413 ccw(c111.467,82.981) 111.035,82.981 ccw(c111.467,82.981) 111.467,82.549 131.208,82.549 cw(c131.208,81.888) 131.869,81.888 cw(c131.208,81.888) 131.208,81.227 111.854,81.227 ccw(c111.854,80.795) 111.422,80.795 ccw(c111.854,80.795) 111.854,80.363 113.405,80.363 cw(c113.405,79.702) 114.066,79.702 114.066,78.017 114.066,69.178 115.049,68.195 115.049,62.379 114.066,61.396 114.066,43.194 114.066,41.697 cw(c113.405,41.697) 113.405,41.036 113.238,41.036 ccw(c113.238,40.604) 112.806,40.604 ccw(c113.238,40.604) 113.238,40.172 116.225,40.172 cw(c116.225,39.511) 116.886,39.511 cw(c116.225,39.511) 116.225,38.85 113.179,38.85 ccw(c113.179,38.418) 112.747,38.418 ccw(c113.179,38.418) 113.179,37.986 116.225,37.986 cw(c116.225,37.325) 116.886,37.325 cw(c116.225,37.325) 116.225,36.664 113.179,36.664 ccw(c113.179,36.232) 112.747,36.232 ccw(c113.179,36.232) 113.179,35.8 116.225,35.8 cw(c116.225,35.139) 116.886,35.139 cw(c116.225,35.139) 116.225,34.478 113.179,34.478 ccw(c113.179,34.046) 112.747,34.046 ccw(c113.179,34.046) 113.179,33.614 116.225,33.614 cw(c116.225,32.953) 116.886,32.953 cw(c116.225,32.953) 116.225,32.292 113.179,32.292 ccw(c113.179,31.86) 112.747,31.86 ccw(c113.179,31.86) 113.179,31.428 116.225,31.428 cw(c116.225,30.767) 116.886,30.767 cw(c116.225,30.767) 116.225,30.106 113.179,30.106 ccw(c113.179,29.674) 112.747,29.674 ccw(c113.179,29.674) 113.179,29.242 116.225,29.242 cw(c116.225,28.581) 116.886,28.581 cw(c116.225,28.581) 116.225,27.92 113.179,27.92 ccw(c113.179,27.488) 112.747,27.488 ccw(c113.179,27.488) 113.179,27.056 114.676,27.056 cw(c114.676,26.395) 115.337,26.395 cw(c114.676,26.395) 114.676,25.734 113.179,25.734 ccw(c113.179,25.302) 112.747,25.302 ccw(c113.179,25.302) 113.179,24.87 114.776,24.87 cw(c114.776,24.209) 115.437,24.209 cw(c114.776,24.209) 114.776,23.548 113.179,23.548 ccw(c113.179,23.116) 112.747,23.116 ccw(c113.179,23.116) 113.179,22.684 113.405,22.684 cw(c113.405,22.023) 114.066,22.023 114.066,21.858 115.262,20.662 122.087,20.662 122.226,20.801 122.226,20.964 J11_Slot4.E4@121.64,21.55
4_DIFF_0_N: J3.B3 J11_Slot4.E3 | length 198.1
  L10 w0.102: J3.B3@-4.38,48.55 -4.965,47.965 -4.965,47.907 -4.682,47.624 7.284,47.624 10.519,47.623 13.05,45.092 13.05,41.832 13.05,38.8 15.514,36.336 18.096,33.754 72.477,33.754 78.263,27.968 78.36,27.871 78.36,22.008 cw(c77.409,21.92) 78.36,21.832 78.36,21.16 78.457,21.063 85.374,14.146 101.623,14.146 102.911,15.434 102.911,19.545 103.738,20.372 104.091,20.725 104.797,20.725 104.915,20.725 105.131,20.941 105.131,23.677 105.481,24.027 106.103,24.027 106.453,23.677 106.453,18.465 106.669,18.249 107.101,18.249 107.317,18.465 107.317,23.677 107.667,24.027 108.289,24.027 108.639,23.677 108.639,18.482 108.855,18.266 109.287,18.266 109.503,18.482 109.503,23.677 109.853,24.027 110.475,24.027 110.825,23.677 110.825,18.465 111.041,18.249 111.473,18.249 111.689,18.465 111.689,23.677 112.039,24.027 112.661,24.027 113.011,23.677 113.011,18.465 113.227,18.249 113.659,18.249 113.875,18.465 113.875,20.375 114.225,20.725 114.946,20.725 115.159,20.725 120.743,20.725 121.154,20.313 121.154,20.135 J11_Slot4.E3@121.74,19.55
4_DIFF_0_P: J3.A3 J11_Slot4.D3 | length 198.1
  L10 w0.102: J3.A3@-5.78,48.55 -5.195,47.965 -5.195,47.812 -4.777,47.395 10.424,47.395 12.821,44.998 12.821,41.926 12.821,38.705 15.19,36.336 15.352,36.174 18.001,33.525 72.382,33.525 78.034,27.873 78.131,27.776 78.131,21.996 cw(c77.409,21.92) 78.131,21.844 78.131,21.065 85.279,13.917 101.718,13.917 102.71,14.91 103.14,15.339 103.14,19.45 104.186,20.496 104.797,20.496 105.01,20.496 105.36,20.846 105.36,23.582 105.576,23.798 106.008,23.798 106.224,23.582 106.224,18.371 106.574,18.02 107.196,18.02 107.546,18.371 107.546,23.582 107.762,23.798 108.194,23.798 108.41,23.582 108.41,18.387 108.76,18.037 109.382,18.037 109.732,18.387 109.732,23.582 109.948,23.798 110.38,23.798 110.596,23.582 110.596,18.371 110.946,18.02 111.568,18.02 111.918,18.371 111.918,23.582 112.134,23.798 112.566,23.798 112.782,23.582 112.782,18.371 113.132,18.02 113.754,18.02 114.104,18.371 114.104,20.28 114.32,20.496 114.946,20.496 115.159,20.496 120.648,20.496 120.926,20.218 120.926,20.135 J11_Slot4.D3@120.34,19.55
4_DIFF_1_N: J3.E3 J11_Slot4.B3 | length 200.3
  L4 w0.102: J3.E3@-0.18,48.55 -0.766,47.965 -0.766,47.872 -0.542,47.649 9.545,47.649 10.799,47.649 24.194,34.253 54.417,34.253 56.174,32.496 57.769,30.901 103.549,30.901 104.632,30.901 104.982,30.55 104.982,29.309 105.198,29.093 105.63,29.093 105.846,29.309 105.846,30.673 106.197,31.023 106.818,31.023 107.168,30.673 107.168,29.309 107.384,29.093 107.816,29.093 108.032,29.309 108.032,30.673 108.383,31.023 109.004,31.023 109.354,30.673 109.354,29.309 109.57,29.093 110.002,29.093 110.218,29.309 110.218,30.55 110.569,30.901 110.782,30.901 121.813,30.901 122.369,30.345 122.369,28.655 121.764,28.05 111.417,28.05 111.078,27.711 111.078,27.492 111.39,27.18 v1(111.39,27.141)
  L8 w0.12: v1(111.39,27.141) 111.39,27.047 111.099,26.756 111.099,26.367 111.099,26.228 111.319,26.008 114.022,26.008 114.401,25.629 114.401,24.965 114.022,24.586 108.513,24.586 108.293,24.366 108.293,23.925 108.513,23.704 114.022,23.704 114.401,23.326 114.401,22.661 114.022,22.282 108.513,22.282 108.293,22.062 108.293,21.621 108.513,21.4 114.022,21.4 114.401,21.022 114.401,20.357 114.022,19.979 111.319,19.979 111.099,19.758 111.099,19.45 111.099,18.84 111.325,18.613 113.654,18.613 115.806,20.765 116.556,20.765 116.975,20.346 116.975,19.918 117.343,19.55 J11_Slot4.B3@117.54,19.55
4_DIFF_1_P: J3.D3 J11_Slot4.A3 | length 200.3
  L4 w0.102: J3.D3@-1.58,48.55 -0.994,47.965 -0.994,47.777 -0.637,47.42 10.704,47.42 11.348,46.775 11.51,46.613 24.1,34.024 54.322,34.024 55.945,32.401 57.675,30.672 103.549,30.672 104.537,30.672 104.753,30.456 104.753,29.214 105.104,28.864 105.725,28.864 106.075,29.214 106.075,30.578 106.291,30.794 106.723,30.794 106.939,30.578 106.939,29.214 107.29,28.864 107.911,28.864 108.261,29.214 108.261,30.578 108.477,30.794 108.909,30.794 109.125,30.578 109.125,29.214 109.476,28.864 110.097,28.864 110.447,29.214 110.447,30.456 110.663,30.672 110.782,30.672 121.718,30.672 122.14,30.25 122.14,28.75 121.669,28.279 111.322,28.279 110.849,27.806 110.849,27.492 110.538,27.18 v1(110.538,27.141)
  L8 w0.12: v1(110.538,27.141) 110.538,27.047 110.829,26.756 110.829,26.367 110.829,26.116 111.207,25.738 113.91,25.738 114.131,25.517 114.131,25.076 113.91,24.856 108.401,24.856 108.023,24.477 108.023,23.813 108.401,23.434 113.91,23.434 114.131,23.214 114.131,22.773 113.91,22.552 108.401,22.552 108.023,22.174 108.023,21.509 108.401,21.131 113.91,21.131 114.131,20.91 114.131,20.469 113.91,20.249 111.207,20.249 110.829,19.87 110.829,19.45 110.829,18.728 111.213,18.343 113.766,18.343 115.918,20.495 116.445,20.495 116.705,20.235 116.705,19.918 116.337,19.55 J11_Slot4.A3@116.14,19.55
4_DIFF_2_N: J2.L8 J11_Slot4.C4 | length 198.2
  L4 w0.102: J2.L8@9.52,42.55 8.935,41.965 8.935,41.881 9.186,41.629 10.551,41.629 10.828,41.352 21.458,30.722 48.229,30.722 48.687,30.265 48.687,29.319 49.955,28.05 52.564,28.05 53.828,26.785 65.044,26.785 66.568,28.309 76.155,28.309 76.403,28.309 76.753,27.959 76.753,26.597 76.969,26.381 77.401,26.381 77.617,26.597 77.617,28.122 77.967,28.472 78.589,28.472 78.939,28.122 78.939,26.597 79.155,26.381 79.587,26.381 79.803,26.597 79.803,28.122 80.153,28.472 80.775,28.472 81.125,28.122 81.125,26.597 81.341,26.381 81.773,26.381 81.989,26.597 81.989,28.122 82.339,28.472 82.961,28.472 83.311,28.122 83.311,26.239 83.527,26.023 83.959,26.023 84.175,26.239 84.175,28.122 84.525,28.472 85.147,28.472 85.497,28.122 85.497,26.832 85.713,26.616 86.145,26.616 86.361,26.832 86.361,28.122 86.711,28.472 87.333,28.472 87.683,28.122 87.683,26.896 87.899,26.68 88.331,26.68 88.547,26.896 88.547,28.122 88.897,28.472 89.519,28.472 89.869,28.122 89.869,26.896 90.085,26.68 90.517,26.68 90.733,26.896 90.733,28.122 91.083,28.472 91.705,28.472 92.055,28.122 92.055,26.896 92.271,26.68 92.703,26.68 92.919,26.896 92.919,28.122 93.269,28.472 93.891,28.472 94.241,28.122 94.241,26.896 94.457,26.68 94.889,26.68 95.105,26.896 95.105,28.122 95.455,28.472 96.077,28.472 96.427,28.122 96.427,26.896 96.643,26.68 97.075,26.68 97.291,26.896 97.291,28.122 97.641,28.472 98.263,28.472 98.613,28.122 98.613,26.896 98.829,26.68 99.261,26.68 99.477,26.896 99.477,27.959 99.827,28.309 100.04,28.309 101.36,28.309 102.458,27.211 102.458,23.232 103.026,22.664 103.389,22.664 103.507,22.664 103.723,22.88 103.723,25.125 104.073,25.475 104.695,25.475 105.045,25.125 105.045,21.361 105.261,21.145 105.693,21.145 105.909,21.361 105.909,25.125 106.259,25.475 106.881,25.475 107.231,25.125 107.231,21.361 107.447,21.145 107.879,21.145 108.095,21.361 108.095,25.125 108.445,25.475 109.067,25.475 109.417,25.125 109.417,21.361 109.633,21.145 110.065,21.145 110.281,21.361 110.281,25.125 110.631,25.475 111.253,25.475 111.603,25.125 111.603,21.361 111.819,21.145 112.251,21.145 112.467,21.361 112.467,25.125 112.817,25.475 113.439,25.475 113.789,25.125 113.789,21.361 114.005,21.145 114.437,21.145 114.653,21.361 114.653,22.314 115.003,22.664 115.39,22.664 117.887,22.664 118.255,22.297 118.255,22.136 J11_Slot4.C4@118.84,21.55
4_DIFF_2_P: J2.K8 J11_Slot4.B4 | length 198.2
  L4 w0.102: J2.K8@8.12,42.55 8.705,41.965 8.705,41.786 9.091,41.4 10.456,41.4 21.363,30.493 48.134,30.493 48.458,30.17 48.458,29.224 49.861,27.821 52.469,27.821 53.734,26.556 65.139,26.556 66.663,28.08 76.155,28.08 76.308,28.08 76.524,27.864 76.524,26.502 76.874,26.152 77.496,26.152 77.846,26.502 77.846,28.027 78.062,28.243 78.494,28.243 78.71,28.027 78.71,26.502 79.06,26.152 79.682,26.152 80.032,26.502 80.032,28.027 80.248,28.243 80.68,28.243 80.896,28.027 80.896,26.502 81.246,26.152 81.868,26.152 82.218,26.502 82.218,28.027 82.434,28.243 82.866,28.243 83.082,28.027 83.082,26.145 83.432,25.794 84.054,25.794 84.404,26.145 84.404,28.027 84.62,28.243 85.052,28.243 85.268,28.027 85.268,26.737 85.618,26.387 86.24,26.387 86.59,26.737 86.59,28.027 86.806,28.243 87.238,28.243 87.454,28.027 87.454,26.801 87.804,26.451 88.426,26.451 88.776,26.801 88.776,28.027 88.992,28.243 89.424,28.243 89.64,28.027 89.64,26.801 89.99,26.451 90.612,26.451 90.962,26.801 90.962,28.027 91.178,28.243 91.61,28.243 91.826,28.027 91.826,26.801 92.176,26.451 92.798,26.451 93.148,26.801 93.148,28.027 93.364,28.243 93.796,28.243 94.012,28.027 94.012,26.801 94.362,26.451 94.984,26.451 95.334,26.801 95.334,28.027 95.55,28.243 95.982,28.243 96.198,28.027 96.198,26.801 96.548,26.451 97.17,26.451 97.52,26.801 97.52,28.027 97.736,28.243 98.168,28.243 98.384,28.027 98.384,26.801 98.734,26.451 99.356,26.451 99.706,26.801 99.706,27.864 99.922,28.08 100.04,28.08 101.265,28.08 102.229,27.116 102.229,23.137 102.931,22.435 103.389,22.435 103.602,22.435 103.952,22.786 103.952,25.03 104.168,25.246 104.6,25.246 104.816,25.03 104.816,21.266 105.166,20.916 105.788,20.916 106.138,21.266 106.138,25.03 106.354,25.246 106.786,25.246 107.002,25.03 107.002,21.266 107.352,20.916 107.974,20.916 108.324,21.266 108.324,25.03 108.54,25.246 108.972,25.246 109.188,25.03 109.188,21.266 109.538,20.916 110.16,20.916 110.51,21.266 110.51,25.03 110.726,25.246 111.158,25.246 111.374,25.03 111.374,21.266 111.724,20.916 112.346,20.916 112.696,21.266 112.696,25.03 112.912,25.246 113.344,25.246 113.56,25.03 113.56,21.266 113.91,20.916 114.532,20.916 114.882,21.266 114.882,22.22 115.098,22.435 115.39,22.435 117.793,22.435 118.017,22.211 118.017,22.127 J11_Slot4.B4@117.44,21.55
4_DIFF_3_N: J3.I6 J11_Slot4.L4 | length 198.6
  L2 w0.102: J3.I6@5.32,54.55 4.734,53.964 4.734,53.853 4.944,53.643 9.418,53.643 12.424,53.643 16.632,49.436 16.632,38.336 19.936,35.031 56.214,35.031 57.389,33.856 77.855,33.856 78.941,32.771 132.789,32.771 132.893,32.666 133.036,32.523 133.036,32.053 133.36,31.729 v1(133.36,31.715)
  L12 w0.102: J11_Slot4.L4@131.44,21.55 130.855,22.135 130.855,22.251 131.004,22.401 132.147,22.401 132.232,22.401 132.405,22.228 133.612,21.021 136.435,21.021 136.869,21.455 136.869,21.818 136.869,22.03 136.519,22.381 133.783,22.381 133.567,22.597 133.567,23.029 133.783,23.245 139.821,23.245 140.171,23.595 140.171,24.216 139.821,24.567 133.963,24.567 133.747,24.783 133.747,25.215 133.963,25.431 138.561,25.431 138.912,25.781 138.912,26.402 138.561,26.753 133.951,26.753 133.735,26.969 133.735,27.401 133.951,27.617 138.561,27.617 138.911,27.967 138.911,28.588 138.561,28.939 137.085,28.939 136.869,29.155 136.869,29.724 136.869,30.045 136.335,30.579 133.315,30.579 133.036,30.857 133.036,31.376 133.36,31.7 v1(133.36,31.715)
4_DIFF_3_P: J3.H6 J11_Slot4.K4 | length 198.6
  L2 w0.102: J3.H6@3.92,54.55 4.506,53.964 4.506,53.758 4.849,53.414 12.329,53.414 16.403,49.341 16.403,38.241 19.842,34.802 56.119,34.802 56.281,34.64 57.294,33.627 77.76,33.627 78.846,32.542 132.694,32.542 132.807,32.428 132.807,32.053 132.483,31.729 v1@132.483,31.715
  L12 w0.102: J11_Slot4.K4@130.04,21.55 130.625,22.136 130.625,22.346 130.91,22.63 132.327,22.63 132.634,22.323 133.707,21.25 136.34,21.25 136.64,21.55 136.64,21.818 136.64,21.936 136.424,22.152 133.688,22.152 133.338,22.502 133.338,23.123 133.688,23.474 139.726,23.474 139.942,23.69 139.942,24.122 139.726,24.338 133.869,24.338 133.518,24.688 133.518,25.309 133.869,25.66 138.467,25.66 138.683,25.876 138.683,26.308 138.467,26.524 133.856,26.524 133.506,26.874 133.506,27.495 133.856,27.846 138.466,27.846 138.682,28.062 138.682,28.494 138.466,28.71 136.99,28.71 136.64,29.06 136.64,29.724 136.64,29.95 136.24,30.35 133.22,30.35 132.807,30.763 132.807,31.376 132.483,31.7 v1@132.483,31.715
  other v1: 132.509,31.699